# Altium PCB XMOS_TSBOARD.PcbDoc (part 1 of 3)
Units mil, origin at the board's own origin, x right, y up, seen from the top; angles counter-clockwise.
Board outline 7212.32 x 3175.44 mil, 4 copper layers (Top Layer, Ground Layer, Power Layer, Bottom Layer), stack 62.502 mil thick; 361 components, 214 nets, 1129 pads, 632 vias.
Unrouted connection lines stored in the file: 5.
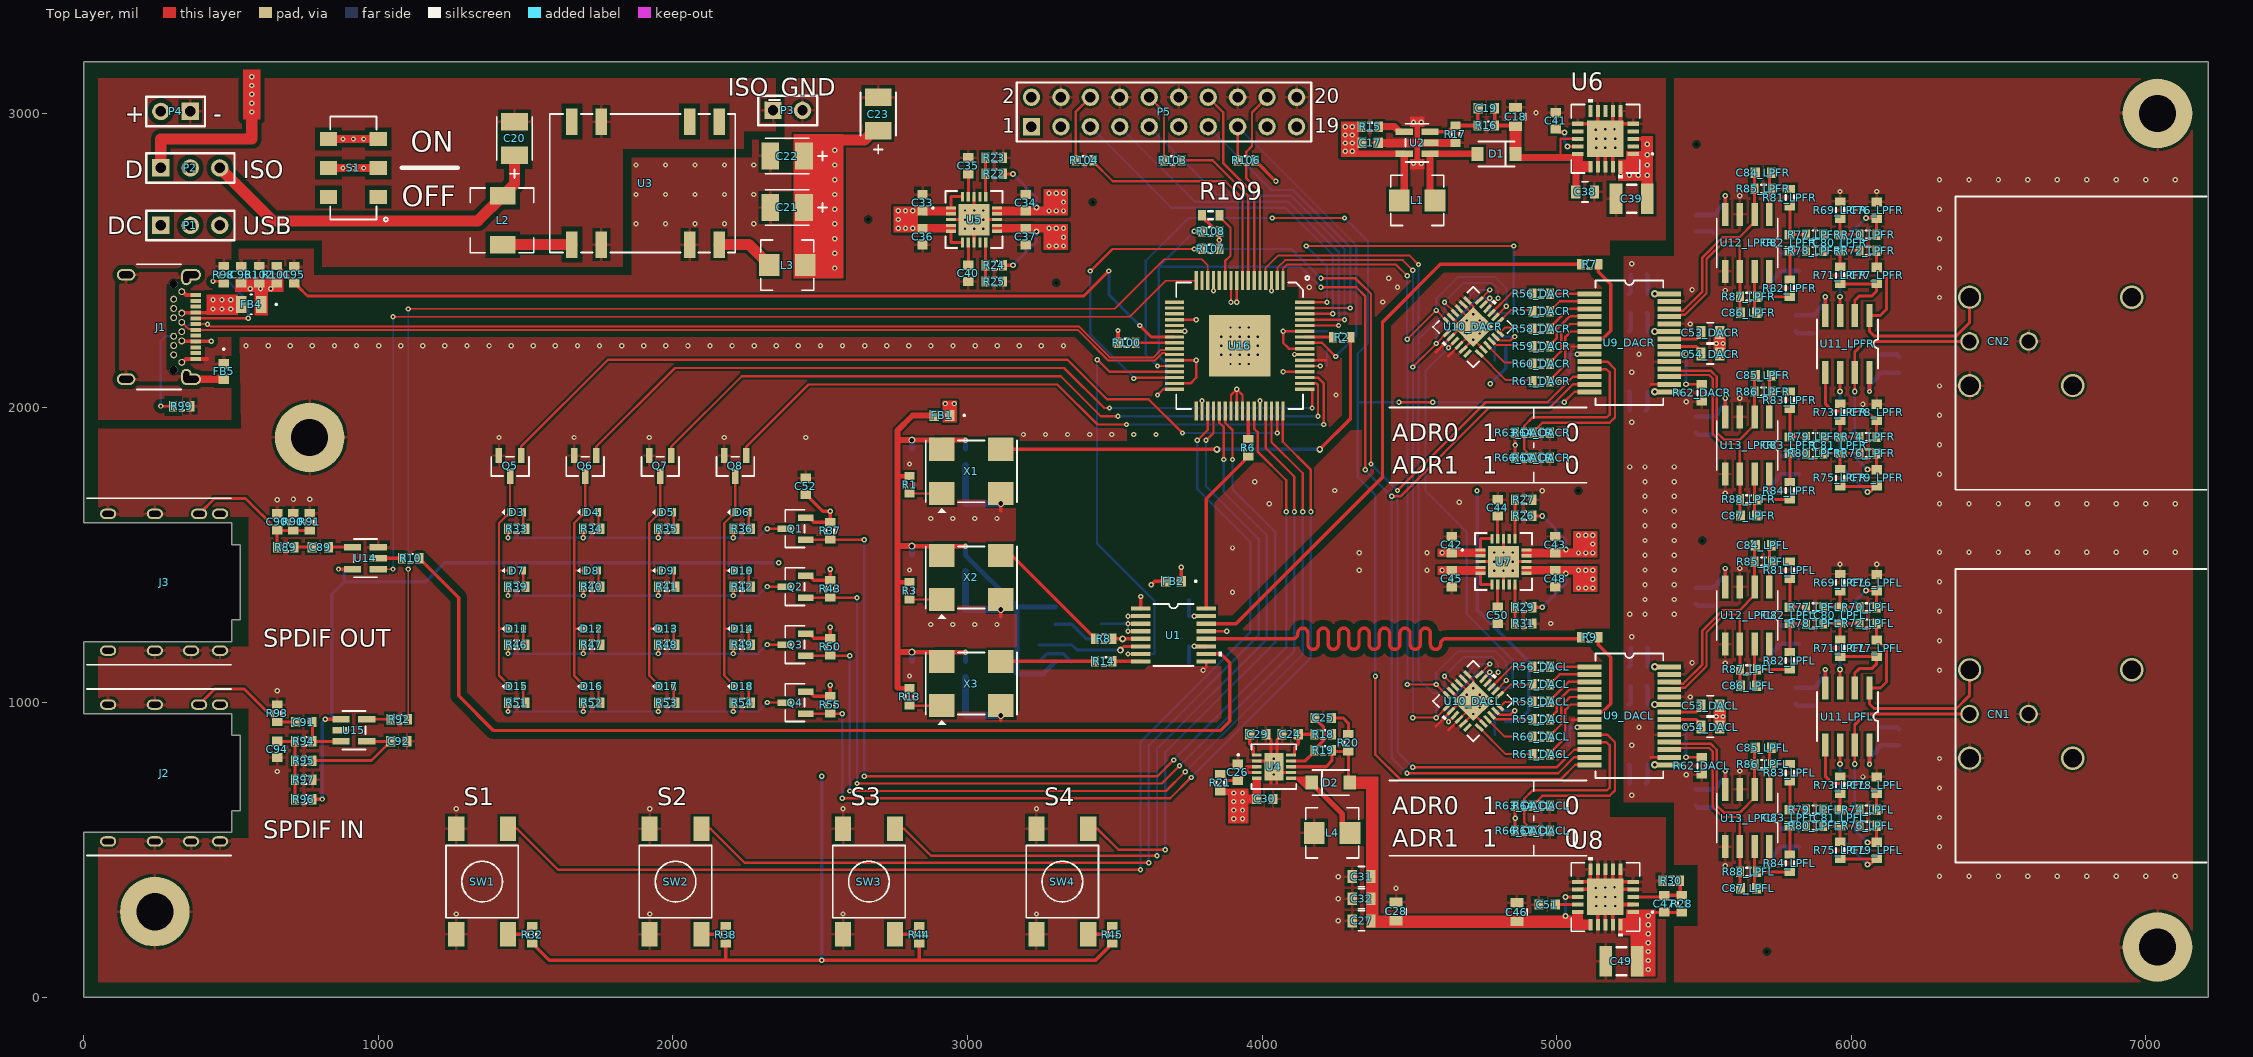
[diagram p0: Top Layer view]
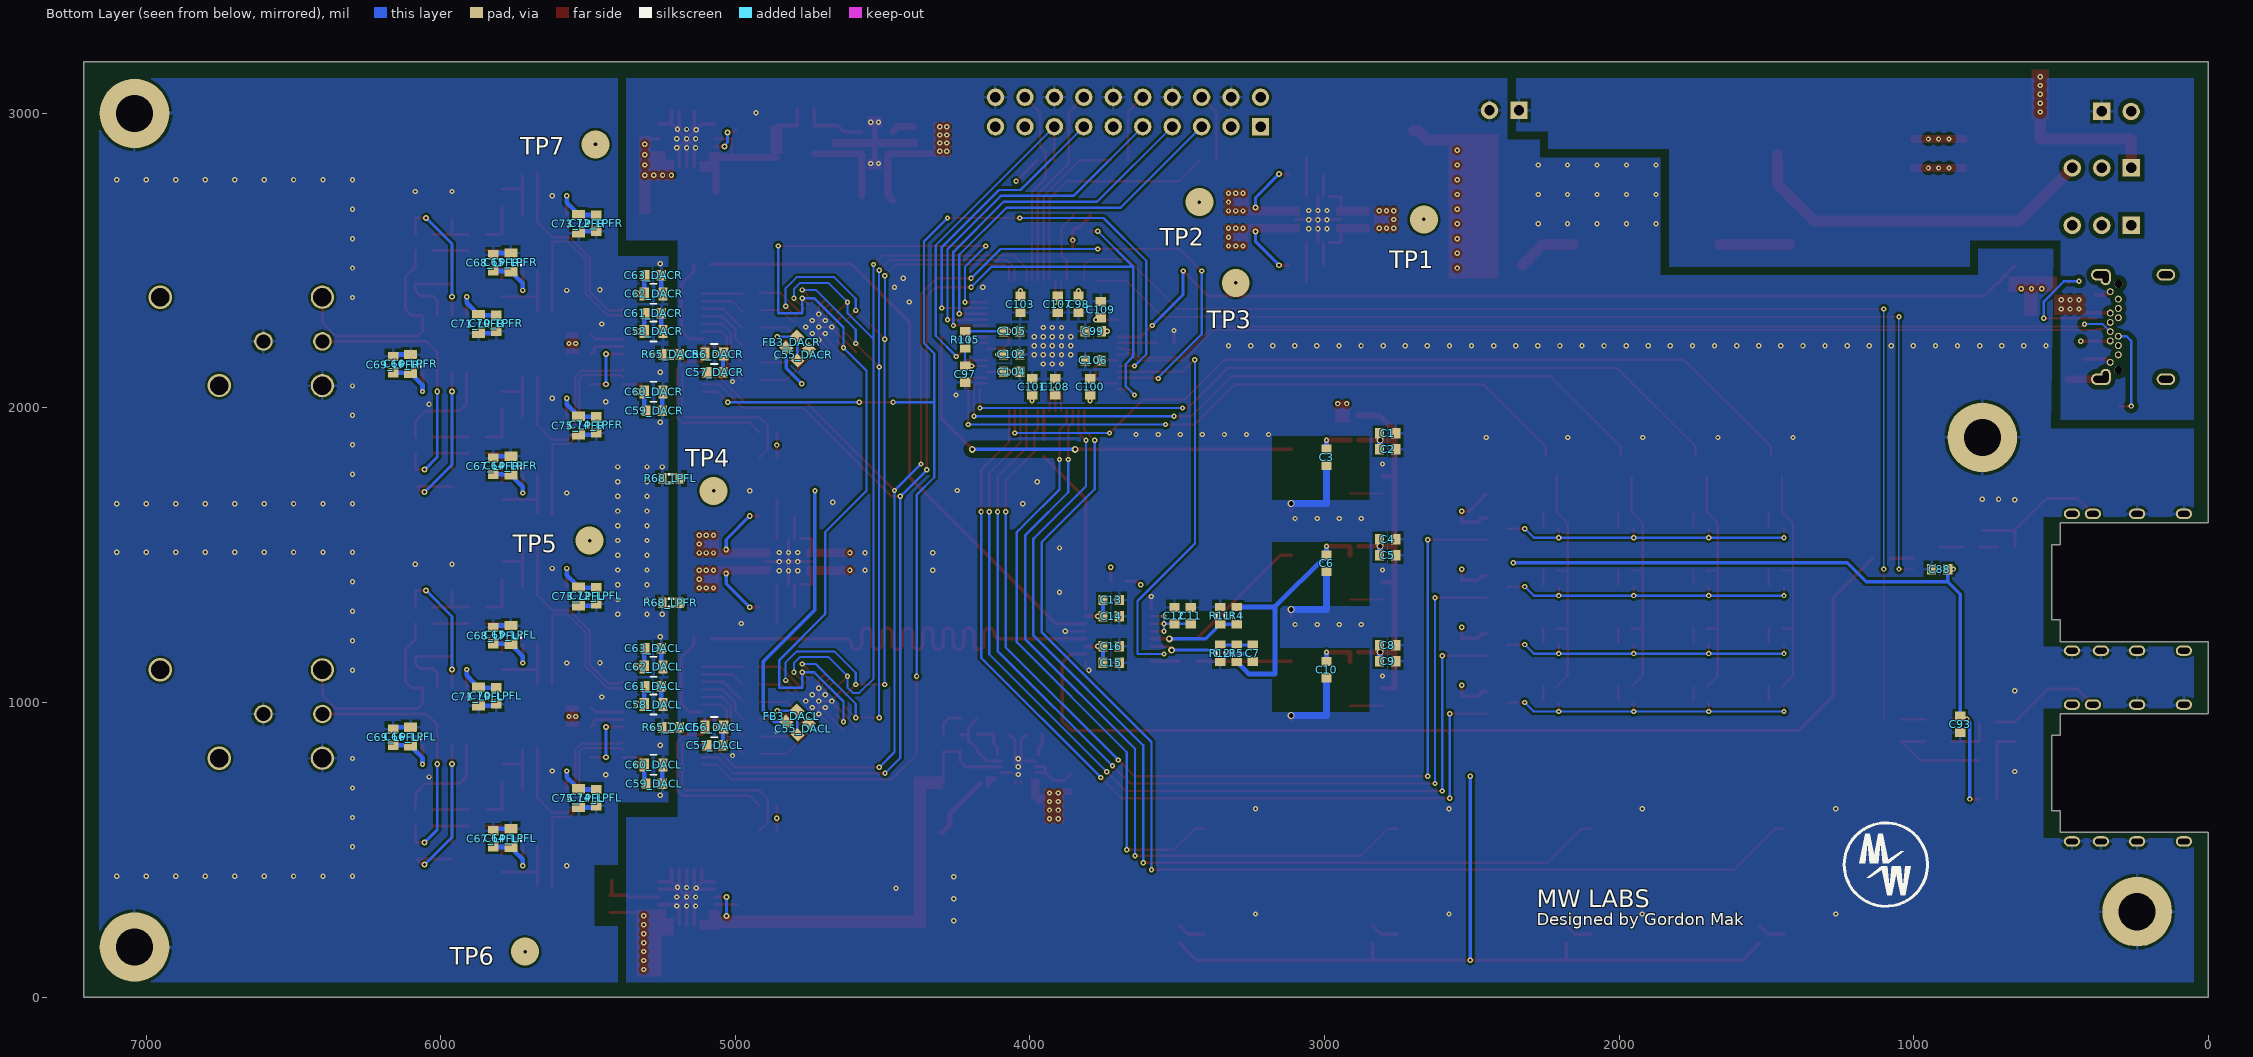
[diagram p1: Bottom Layer view, seen from below]
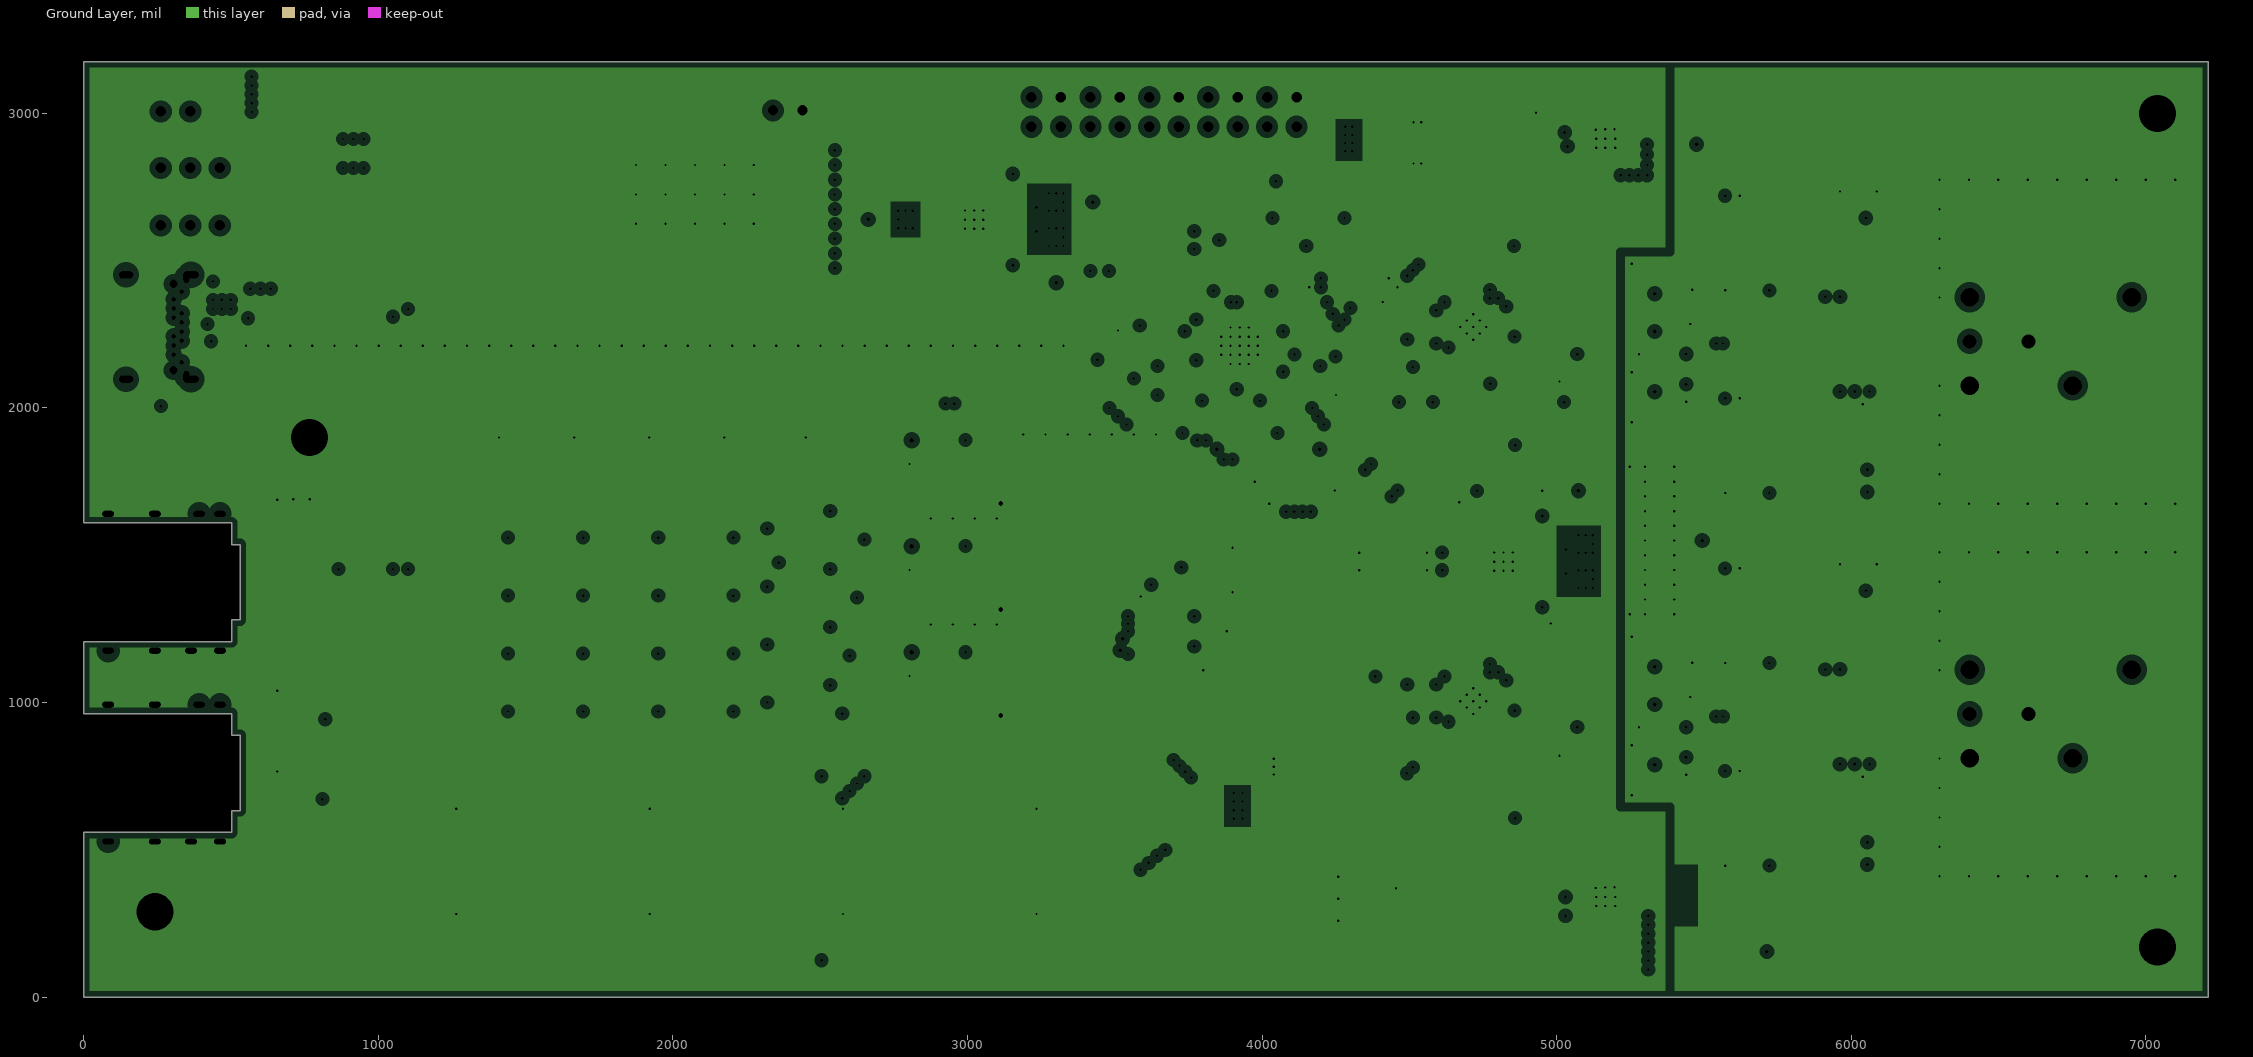
[diagram p2: Ground Layer, clearances drawn from the general rule]
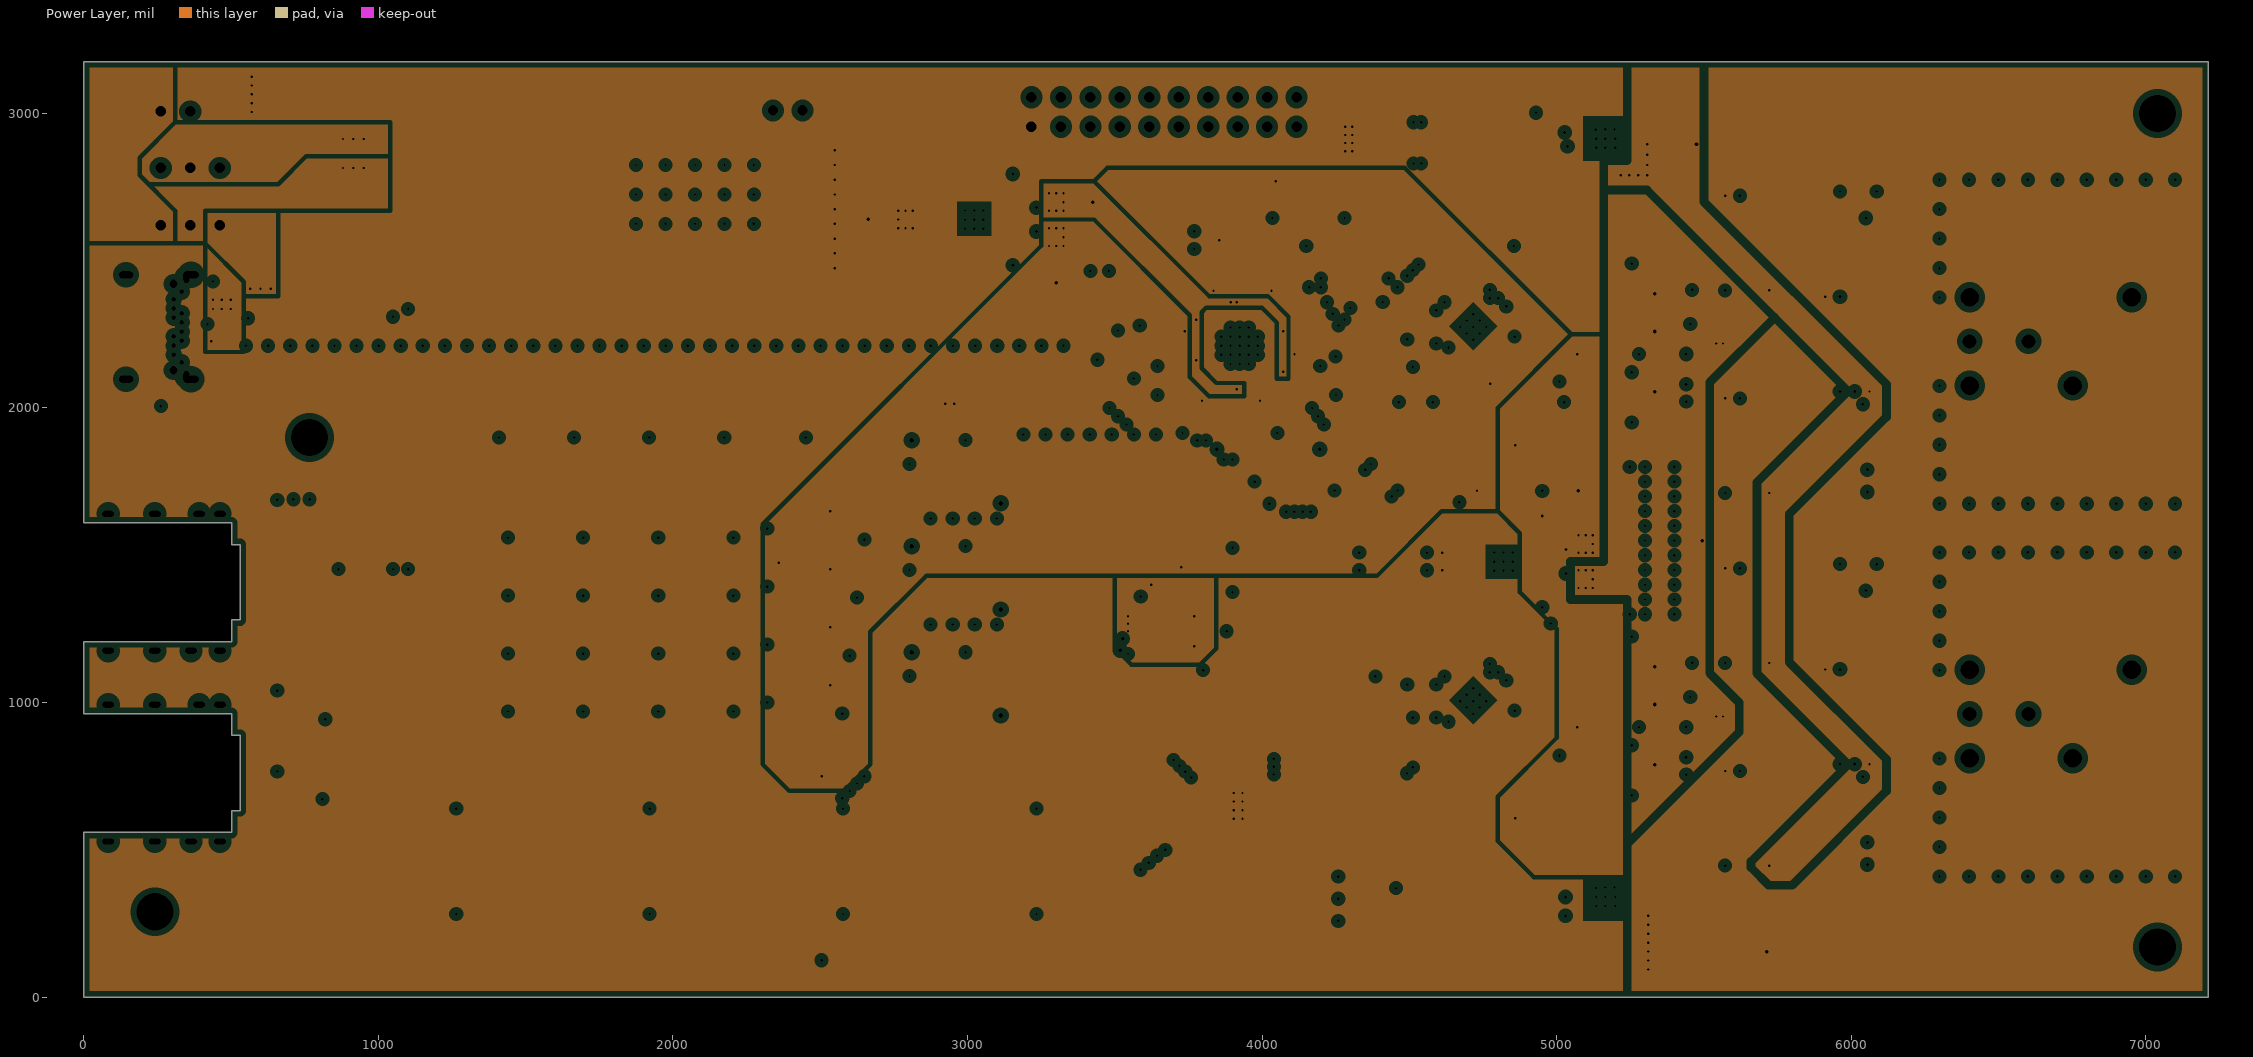
[diagram p3: Power Layer, clearances drawn from the general rule]

## Layer stack, top to bottom
Top Solder: solder mask 0.4, Solder Resist, Dk 3.5
Top Layer: signal copper 1.3778
Dielectric 2: prepreg 8.2, PP-022, Dk 4.5
Ground Layer: plane copper 0.7087, net (Multiple Nets)
Dielectric 1: core 41.9291, Core-042, Dk 4.6
Power Layer: plane copper 0.7087, net (Multiple Nets)
Dielectric 3: prepreg 8.2, PP-022, Dk 4.5
Bottom Layer: signal copper 1.3778
Bottom Solder: solder mask 0.4, Solder Resist, Dk 3.5

## Board outline
0,0 0,558.94 502.32,558.94 502.32,632.76 531.5,632.76 531.5,888.67 501.97,888.67 501.97,962.49 0,962.49 0,1206.66 502.32,1206.66 502.32,1280.48 531.5,1280.48 531.5,1536.38 501.97,1536.38 501.97,1610.2 0,1610.2 0,3175.44 7212.32,3175.44 7212.32,1587.72 7212.32,0

## Design rules (kind name [scope] priority, off if disabled: settings)
Clearance Clearance_GND2Clock [InNamedPolygon('GND_L01_P012') Or  InNamedPolygon('GND_L04_P014') vs InNetClass('Clock Class')] p1: gap=8 ignorepadtopadclearanceinfootprint=FALSE except(0: Arc-Text Arc-Hole Track-Text Track-Hole SMDPad-Text SMDPad-Hole THPad-Text THPad-Hole Via-Text Via-Hole Fill-Text Fill-Hole Poly-Text Poly-Hole Region-Text Region-Hole Text-Hole; 6: Text-Text; 23.1: Arc-Arc Arc-Track Arc-SMDPad Arc-THPad Arc-Via Arc-Fill Arc-Poly Arc-Region Track-Track Track-SMDPad Track-THPad Track-Via Track-Fill Track-Poly Track-Region)
Clearance Clearance_GND2USB [InNamedPolygon('GND_L01_P012') vs InDifferentialPair('USB_D')] p2: gap=8 ignorepadtopadclearanceinfootprint=FALSE except(0: Arc-Text Arc-Hole Track-Text Track-Hole SMDPad-Text SMDPad-Hole THPad-Text THPad-Hole Via-Text Via-Hole Fill-Text Fill-Hole Poly-Text Poly-Hole Region-Text Region-Hole Text-Hole; 6: Text-Text; 21: Arc-Arc Arc-Track Arc-SMDPad Arc-THPad Arc-Via Arc-Fill Arc-Poly Arc-Region Track-Track Track-SMDPad Track-THPad Track-Via Track-Fill Track-Poly Track-Region)
Clearance Clearance_GND_Polygon [InNamedPolygon('GND_L01_P012') OR InNamedPolygon('GND_L04_P014')] p3: gap=8 ignorepadtopadclearanceinfootprint=FALSE except(0: Arc-Hole Track-Hole SMDPad-Hole THPad-Hole Via-Hole Fill-Hole Poly-Hole Region-Hole Text-Hole)
Clearance Clearance_DCGND_Polygon [InNamedPolygon('DC_GND_L01_P006') Or InNamedPolygon('DC_GND_L04_P008')] p4: gap=15 ignorepadtopadclearanceinfootprint=FALSE except(0: Arc-Hole Track-Hole SMDPad-Hole THPad-Hole Via-Hole Fill-Hole Poly-Hole Region-Hole Text-Hole)
Clearance Clearance_AGND_Polygon [InNamedPolygon('AGND_L04_P002') Or  InNamedPolygon('AGND_L01_P000')] p5: gap=8 ignorepadtopadclearanceinfootprint=FALSE except(0: Arc-Hole Track-Hole SMDPad-Hole THPad-Hole Via-Hole Fill-Hole Poly-Hole Region-Hole Text-Hole)
Clearance [All] p6: gap=5 ignorepadtopadclearanceinfootprint=FALSE except(0: Arc-Hole Track-Hole SMDPad-Hole THPad-Hole Via-Hole Fill-Hole Poly-Hole Region-Hole Text-Hole; 4: Arc-Arc Arc-Track Arc-SMDPad Track-Track Track-SMDPad SMDPad-SMDPad; 6: Arc-Text Track-Text SMDPad-Text THPad-Text Via-Text Fill-Text Poly-Text Region-Text Text-Text)
DiffPairsRouting DiffPairsRouting_1 [InDifferentialPair('D_IN0_LPFL') Or InDifferentialPair('D_IN0_LPFR') Or InDifferentialPair('D_IN1_LPFL') Or InDifferentialPair('D_IN1_LPFR')] p1: maxlimit=50 minlimit=4 mostfreqgap=6 toplayer_minwidth=4 toplayer_maxwidth=8 toplayer_prefwidth=8 bottomlayer_minwidth=4 bottomlayer_maxwidth=8 bottomlayer_prefwidth=8 maxuncoupledlength=500
DiffPairsRouting [InDifferentialPair('USB_D')] p2: maxlimit=10 minlimit=4 mostfreqgap=4 toplayer_minwidth=4 toplayer_maxwidth=6.9 toplayer_prefwidth=6.89 bottomlayer_minwidth=4 bottomlayer_maxwidth=6.9 bottomlayer_prefwidth=6.89 maxuncoupledlength=500
HoleSize [All] p1: absolutevalues=TRUE maxlimit=248.03 minlimit=7.87 maxpercent=80.000 minpercent=20.000
MinimumSolderMaskSliver [All] p1: minsoldermaskwidth=0
PlaneClearance [All] p1: clearance=20
PlaneConnect PlaneConnect_1 [IsVia] p1: planeconnectstyle=Direct reliefexpansion=20 reliefentries=4 reliefconductorwidth=10 reliefairgap=10
PlaneConnect [All] p2: planeconnectstyle=Relief reliefexpansion=20 reliefentries=4 reliefconductorwidth=10 reliefairgap=10
PolygonConnect PolygonConnect_1 [IsVia] p1: connectstyle=Direct reliefconductorwidth=10 reliefentries=4 polygonreliefangle="90 Angle" airgapwidth=10
PolygonConnect [All] p2: connectstyle=Relief reliefconductorwidth=10 reliefentries=4 polygonreliefangle="90 Angle" airgapwidth=10
RoutingVias [All] p1: holewidth=10 width=20 viastyle="Through Hole" minholewidth=7.87 minwidth=17.72 maxholewidth=248.03 maxwidth=314.96
SilkToSilkClearance [All] p1: silktosilkclearance=0
SilkToSolderMaskClearance [IsPad] p1: minsilkscreentomaskgap=3 clearancetoexposedcopper=TRUE
SolderMaskExpansion [All] p1: expansion=4
Width Width_1 [InNetClass('Clock Class')] p1: maxlimit=15 minlimit=5 preferedwidth=11.55
Width [All] p2: maxlimit=80 minlimit=3.5 preferedwidth=10
23 further rules are at their usual default settings.

## Classes and differential pairs
net class "Clock Class": DACL_MCLK DACR_MCLK NetR2_2 NetR4_2 NetR6_2 NetR7_2 NetR8_2 NetR9_2 NetR10_2 NetR14_1 NetR14_2 PLL_CLK SPDIF_MCLK XMOS_CLK
component class DACR: C53_DACR C54_DACR C55_DACR C56_DACR C57_DACR C58_DACR C59_DACR C60_DACR C61_DACR C62_DACR C63_DACR FB3_DACR R56_DACR R57_DACR R58_DACR R59_DACR R60_DACR R61_DACR R62_DACR R63_DACR R64_DACR R65_DACR R66_DACR R67_DACR U9_DACR U10_DACR
channel class XMOS_TSBOARD_IV: LPFL LPFR
channel class XMOS_TSBOARD_DAC: DACL DACR
component class XMOS_TSBOARD_Top: CN1 CN2 FB4 FB5 J1 J2 J3 P4 P5 R98 R99
component class U_XMOS_TSBOARD_Xmos: C95 C96 C97 C98 C99 C100 C101 C102 C103 C104 C105 C106 C107 C108 C109 R100 R101 R102 R103 R104 R105 R106 R107 R108 R109 U16
component class U_XMOS_TSBOARD_SPDIF: C88 C89 C90 C91 C92 C93 C94 R89 R90 R91 R92 R93 R94 R95 R96 R97 U14 U15
component class U_XMOS_TSBOARD_Power: C17 C18 C19 C20 C21 C22 C23 C24 C25 C26 C27 C28 C29 C30 C31 C32 C33 C34 C35 C36 C37 C38 C39 C40 C41 C42 C43 C44 C45 C46 C47 C48 C49 C50 C51 D1 D2 L1 L2 L3 L4 P1 P2 P3 R15 R16 R17 R18 R19 R20 R21 R22 R23 R24 R25 R26 R27 R28 R29 R30 R31 S1 U2 U3 U4 U5 U6 U7 U8
component class U_XMOS_TSBOARD_PHY: C52 D3 D4 D5 D6 D7 D8 D9 D10 D11 D12 D13 D14 D15 D16 D17 D18 Q1 Q2 Q3 Q4 Q5 Q6 Q7 Q8 R32 R33 R34 R35 R36 R37 R38 R39 R40 R41 R42 R43 R44 R45 R46 R47 R48 R49 R50 R51 R52 R53 R54 R55 SW1 SW2 SW3 SW4
component class U_XMOS_TSBOARD_Clock: C1 C2 C3 C4 C5 C6 C7 C8 C9 C10 C11 C12 C13 C14 C15 C16 FB1 FB2 R1 R2 R3 R4 R5 R6 R7 R8 R9 R10 R11 R12 R13 R14 U1 X1 X2 X3
component class LPFR: C64_LPFR C65_LPFR C66_LPFR C67_LPFR C68_LPFR C69_LPFR C70_LPFR C71_LPFR C72_LPFR C73_LPFR C74_LPFR C75_LPFR C76_LPFR C77_LPFR C78_LPFR C79_LPFR C80_LPFR C81_LPFR C82_LPFR C83_LPFR C84_LPFR C85_LPFR C86_LPFR C87_LPFR R68_LPFR R69_LPFR R70_LPFR R71_LPFR R72_LPFR R73_LPFR R74_LPFR R75_LPFR R76_LPFR R77_LPFR R78_LPFR R79_LPFR R80_LPFR R81_LPFR R82_LPFR R83_LPFR R84_LPFR R85_LPFR R86_LPFR R87_LPFR R88_LPFR U11_LPFR U12_LPFR U13_LPFR
component class LPFL: C64_LPFL C65_LPFL C66_LPFL C67_LPFL C68_LPFL C69_LPFL C70_LPFL C71_LPFL C72_LPFL C73_LPFL C74_LPFL C75_LPFL C76_LPFL C77_LPFL C78_LPFL C79_LPFL C80_LPFL C81_LPFL C82_LPFL C83_LPFL C84_LPFL C85_LPFL C86_LPFL C87_LPFL R68_LPFL R69_LPFL R70_LPFL R71_LPFL R72_LPFL R73_LPFL R74_LPFL R75_LPFL R76_LPFL R77_LPFL R78_LPFL R79_LPFL R80_LPFL R81_LPFL R82_LPFL R83_LPFL R84_LPFL R85_LPFL R86_LPFL R87_LPFL R88_LPFL U11_LPFL U12_LPFL U13_LPFL
component class DACL: C53_DACL C54_DACL C55_DACL C56_DACL C57_DACL C58_DACL C59_DACL C60_DACL C61_DACL C62_DACL C63_DACL FB3_DACL R56_DACL R57_DACL R58_DACL R59_DACL R60_DACL R61_DACL R62_DACL R63_DACL R64_DACL R65_DACL R66_DACL R67_DACL U9_DACL U10_DACL
differential pair D_IN0_LPFL: +IN0_LPFL_P -IN0_LPFL_N
differential pair D_IN0_LPFR: +IN0_LPFR_P -IN0_LPFR_N
differential pair D_IN1_LPFL: +IN1_LPFL_P -IN1_LPFL_N
differential pair D_IN1_LPFR: +IN1_LPFR_P -IN1_LPFR_N
differential pair USB_D: +USB_D_P -USB_D_N

## Components (designator, comment, footprint, x,y, rotation, side; value= is the part's Value field where it differs from the comment)
C1 "Cap Semi" 1608[0603] 2785.79,1914.7 r0 bottom locked value=1uF
C2 "Cap Semi" 1608[0603] 2785.79,1859.7 r0 bottom locked value=100nF
C3 "Cap Semi" 1608[0603] 2993.35,1832.14 r90 bottom locked value=100nF
C4 "Cap Semi" 1608[0603] 2785.79,1554.7 r0 bottom locked value=1uF
C5 "Cap Semi" 1608[0603] 2785.79,1499.7 r0 bottom locked value=100nF
C6 "Cap Semi" 1608[0603] 2993.35,1472.14 r90 bottom locked value=100nF
C7 "Cap Semi" 1608[0603] 3243.66,1167.32 r90 bottom locked value=100nF
C8 "Cap Semi" 1608[0603] 2785.79,1194.7 r0 bottom locked value=1uF
C9 "Cap Semi" 1608[0603] 2785.79,1139.7 r0 bottom locked value=100nF
C10 "Cap Semi" 1608[0603] 2993.35,1112.14 r90 bottom locked value=100nF
C11 "Cap Semi" 1608[0603] 3454.46,1295.21 r270 bottom locked value=1uF
C12 "Cap Semi" 1608[0603] 3509.46,1295.21 r270 bottom locked value=100nF
C13 "Cap Semi" 1608[0603] 3724.46,1348.24 r0 bottom locked value=1uF
C14 "Cap Semi" 1608[0603] 3724.46,1293.24 r0 bottom locked value=100nF
C15 "Cap Semi" 1608[0603] 3724.46,1135.88 r0 bottom locked value=1uF
C16 "Cap Semi" 1608[0603] 3724.46,1190.88 r0 bottom locked value=100nF
C17 "Cap Semi" 1608[0603] 4366.85,2900 r180 top locked value=10uF
C18 "Cap Semi" C0805 4860.85,2988.58 r270 top locked value=10uF
C19 "Cap Semi" 1608[0603] 4761.38,3018.11 r0 top locked value=220pF
C20 "KO-CAP" 3528-21 1462.36,2914.91 r90 top locked value=15uF
C21 "KO-CAP" 3528-21 2387.96,2680.71 r180 top locked value=100uF
C22 "KO-CAP" 3528-21 2387.96,2855.41 r180 top locked value=10uF
C23 "KO-CAP" 3528-21 2697.32,2998 r90 top locked value=10uF
C24 "Cap Semi" 1608[0603] 4095.71,892.64 r180 top locked value=0.22uF
C25 "Cap Semi" 1608[0603] 4207.8,947.64 r180 top locked value=10pF
C26 "Cap Semi" 1608[0603] 3918.27,762.64 r270 top locked value=0.1uF
C27 "Cap Semi" C0805 4338.25,259 r180 top locked value=4.7uF
C28 "Cap Semi" C0805 4455,290.75 r270 top locked value=4.7uF
C29 "Cap Semi" 1608[0603] 3985.71,892.64 r0 top locked value=4.7nF
C30 "Cap Semi" 1608[0603] 4009.68,672.64 r180 top locked value=10uF
C31 "Cap Semi" C0805 4338.25,409 r180 top locked value=4.7uF
C32 "Cap Semi" C0805 4338.25,334 r0 top locked value=4.7uF
C33 "Cap Semi" 1608[0603] 2847.51,2697.12 r270 top locked value=10uF
C34 "Cap Semi" 1608[0603] 3197.51,2697.12 r270 top locked value=10uF
C35 "Cap Semi" 1608[0603] 3002.82,2822.12 r270 top locked value=10nF
C36 "Cap Semi" 1608[0603] 2847.51,2582 r90 top locked value=10uF
C37 "Cap Semi" 1608[0603] 3197.51,2582 r90 top locked value=10uF
C38 "Cap Semi" C0805 5096.87,2733.78 r180 top locked value=10uF
C39 "Cap Semi" C1210 5255.02,2710.16 r0 top locked value=47uF
C40 "Cap Semi" 1608[0603] 3002.51,2457 r90 top locked value=10nF
C41 "Cap Semi" 1608[0603] 4997.49,2974.78 r270 top locked value=1uF
C42 "Cap Semi" 1608[0603] 4644.83,1536.12 r270 top locked value=10uF
C43 "Cap Semi" 1608[0603] 4994.83,1536.12 r270 top locked value=10uF
C44 "Cap Semi" 1608[0603] 4800.15,1661.12 r270 top locked value=10nF
C45 "Cap Semi" 1608[0603] 4644.83,1421 r90 top locked value=10uF
C46 "Cap Semi" C0805 4865.34,288.82 r270 top locked value=10uF
C47 "Cap Semi" 1608[0603] 5365,316.38 r90 top locked value=10nF
C48 "Cap Semi" 1608[0603] 4994.83,1421 r90 top locked value=10uF
C49 "Cap Semi" C1210 5220.34,121.65 r0 top locked value=47uF
C50 "Cap Semi" 1608[0603] 4799.83,1296 r90 top locked value=10nF
C51 "Cap Semi" 1608[0603] 4967.78,314.41 r0 top locked value=1uF
C52 "Cap Semi" 1608[0603] 2451.42,1734.12 r270 top locked value=10uF
C53_DACL "Cap Pol3" C0805 5521.85,989.19 r180 top locked value=47uF (schematic designator C53)
C53_DACR "Cap Pol3" C0805 5521.85,2255.53 r180 top locked value=47uF (schematic designator C53)
C54_DACL "Cap Pol3" C0805 5521.85,916.61 r180 top locked value=47uF (schematic designator C54)
C54_DACR "Cap Pol3" C0805 5521.85,2182.95 r180 top locked value=47uF (schematic designator C54)
C55_DACL "Cap Semi" 1608[0603] 4769.49,910.51 r315 bottom locked value=100nF (schematic designator C55)
C55_DACR "Cap Semi" 1608[0603] 4769.49,2180.51 r315 bottom locked value=100nF (schematic designator C55)
C56_DACL "Cap Pol3" C0805 5071.85,916.61 r0 bottom locked value=10uF (schematic designator C56)
C56_DACR "Cap Pol3" C0805 5071.85,2182.95 r0 bottom locked value=10uF (schematic designator C56)
C57_DACL "Cap Semi" 1608[0603] 5069.76,855 r180 bottom locked value=100nF (schematic designator C57)
C57_DACR "Cap Semi" 1608[0603] 5069.76,2121.34 r180 bottom locked value=100nF (schematic designator C57)
C58_DACL "Cap Pol3" C0805 5277.8,993.39 r180 bottom locked value=10uF (schematic designator C58)
C58_DACR "Cap Pol3" C0805 5277.8,2259.72 r180 bottom locked value=10uF (schematic designator C58)
C59_DACL "Cap Semi" 1608[0603] 5275.83,725 r0 bottom locked value=100nF (schematic designator C59)
C59_DACR "Cap Semi" 1608[0603] 5275.83,1991.34 r0 bottom locked value=100nF (schematic designator C59)
C60_DACL "Cap Pol3" C0805 5277.8,788.66 r180 bottom locked value=10uF (schematic designator C60)
C60_DACR "Cap Pol3" C0805 5277.8,2055 r180 bottom locked value=10uF (schematic designator C60)
C61_DACL "Cap Semi" 1608[0603] 5279.76,1055 r0 bottom locked value=100nF (schematic designator C61)
C61_DACR "Cap Semi" 1608[0603] 5279.76,2321.34 r0 bottom locked value=100nF (schematic designator C61)
C62_DACL "Cap Pol3" C0805 5277.8,1121.34 r180 bottom locked value=10uF (schematic designator C62)
C62_DACR "Cap Pol3" C0805 5277.8,2387.68 r180 bottom locked value=10uF (schematic designator C62)
C63_DACL "Cap Semi" 1608[0603] 5279.76,1185 r0 bottom locked value=100nF (schematic designator C63)
C63_DACR "Cap Semi" 1608[0603] 5279.76,2451.34 r0 bottom locked value=100nF (schematic designator C63)
C64_LPFL "Cap Pol3" C0805 5762.32,539.53 r90 bottom locked value=10uF (schematic designator C64)
C64_LPFR "Cap Pol3" C0805 5762.32,1804.53 r90 bottom locked value=10uF (schematic designator C64)